# KiCad board Infernum.kicad_pcb (continued)
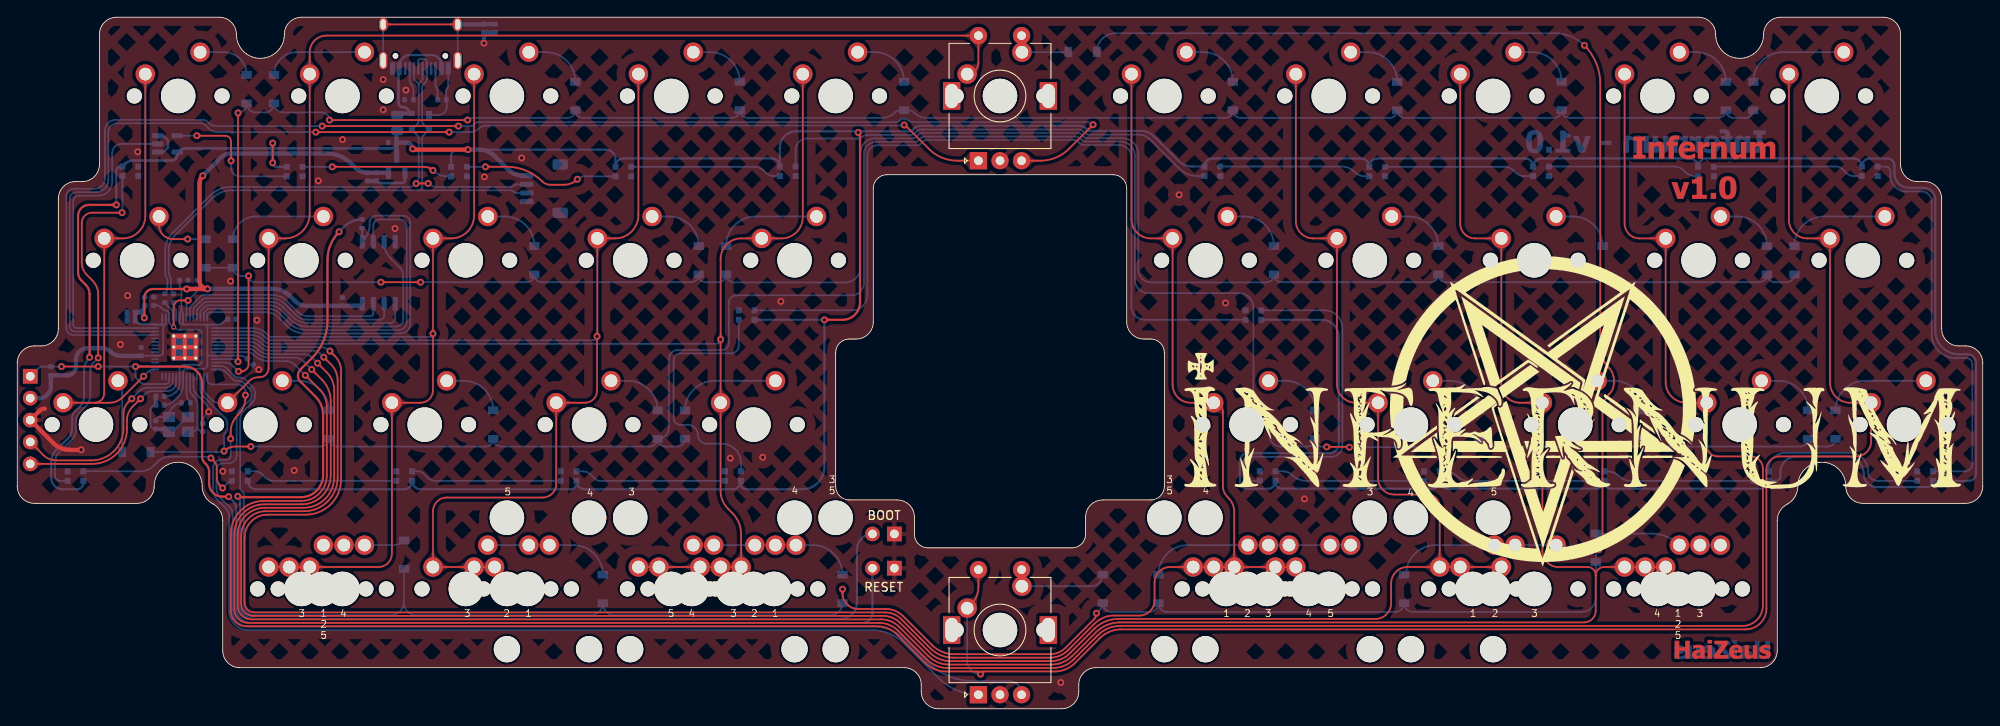
[diagram p0: board, top side]
## Routing (per net, layer and track width the routed paths; a pad name or vN(x,y) marks a point on that pad's centre or on a via; arc(x,y) is an arc through that point)
+1V1: length 26.4
  Top w0.2: v2(18.13,44.24) 18.13,46.58 arc(18.35,47.12) 18.89,47.34 v1(19.8,47.34)
  Bottom w0.2: 17.07,36.22 17.19,36.22 arc(17.82,36.34) 18.36,36.7 18.44,36.78 arc(18.72,37.21) 18.82,37.71 U2.23 18.82,39.42 arc(18.95,39.74) 19.28,39.87 21.02,39.87 arc(21.27,39.98) 21.38,40.23 21.38,43.58 arc(21.27,43.83) 21.02,43.94 18.86,43.94 arc(18.46,44.02) v2(18.13,44.24) 17.73,44.64 arc(17.65,44.76) 17.62,44.9 U2.45 17.62,45.81 arc(17.6,45.91) 17.54,46 17.41,46.12 arc(17.35,46.17) 17.28,46.18 17.11,46.18 arc(17.01,46.2) 16.92,46.26 16.55,46.64 arc(16.41,46.73) 16.25,46.76 C4.1 ; C6.1 20.87,48.55 arc(20.84,48.42) 20.77,48.31 19.62,47.16 U2.50
+3V3: length 131.2
  Top w0.25: v1(14.72,45.31) 14.72,47.65 arc(15.02,48.37) 15.74,48.66 v1(19.65,48.66)
  Top w0.5: v1(19.65,48.66) 22.04,48.66 v1(22.04,48.68) arc(21.39,48.95) 21.12,49.6 21.12,60.88 arc(21.22,61.37) v1(21.5,61.8)
  Bottom w0.2: 22.04,44.19 22.04,44.28 arc(21.96,44.46) 21.78,44.53 ; 22.04,44.19 22.04,41.35 ; 22.04,44.19 22.04,44.23 arc(22.13,44.45) 22.34,44.53 ; U2.44 17.22,44.66 arc(17.18,44.57) 17.1,44.53 ; 17.1,44.53 16.55,44.53 ; 17.1,44.53 17.05,44.49 arc(16.94,44.33) 16.91,44.14 16.91,41.3 arc(16.8,41.04) 16.54,40.93 U2.33 14.38,40.93 C14.1 ; 19.03,48.66 v1(19.65,48.66) ; 19.03,48.66 18.91,48.78 arc(18.84,48.89) 18.81,49.01 C9.1 ; 19.03,48.66 19.03,46.38 ; 21.78,44.53 22.34,44.53 ; 21.78,44.53 19.46,44.53 ; 22.34,44.53 U2.1 23.35,44.53 arc(23.58,44.58) 23.78,44.71 24.22,45.16 C11.1 ; C10.1 17.05,35.2 arc(17.62,35.31) 18.1,35.64 18.65,36.19 arc(19.07,36.82) 19.22,37.56 U2.22 19.22,39.01 arc(19.34,39.3) 19.63,39.42 21.58,39.42 arc(21.9,39.55) 22.04,39.87 22.04,41.35 ; 19.46,44.53 19.19,44.53 arc(18.93,44.64) 18.82,44.91 U2.48 18.82,45.76 arc(18.85,45.92) 18.95,46.07 ; 19.46,44.53 arc(19.29,44.61) 19.22,44.78 U2.49 19.22,45.82 arc(19.19,45.94) 19.12,46.05 ; U2.43 16.82,44.8 arc(16.74,44.61) 16.55,44.53 ; 19.03,46.15 19.12,46.05 ; 19.03,46.15 18.95,46.07 ; 19.03,46.15 19.03,46.38 ; 19.12,46.05 arc(19.05,46.16) 19.03,46.28 ; 16.55,44.53 U2.42 ; 22.04,41.35 22.04,41.09 arc(22.08,40.98) 22.2,40.93 U2.10 25.8,40.93 arc(26.27,40.84) 26.68,40.57 C12.1 ; 18.95,46.07 arc(19.01,46.15) 19.03,46.26 19.03,46.28 ; 19.03,46.28 19.03,46.38
  Bottom w0.25: C15.1 13.68,44.95 arc(14.11,44.66) 14.62,44.56 15.98,44.56
  Bottom w0.5: C14.1 11.97,40.92 arc(11.34,41.04) 10.81,41.4 arc(10.36,41.7) 9.83,41.81 8.13,41.81 arc(7.19,41.42) 6.8,40.48 6.8,39.66 arc(6.5,38.95) 5.79,38.65 R1.1 3.9,37.25 arc(3.82,36.88) 3.61,36.56 3.36,36.31 arc(3.03,36.09) 2.64,36.01 J1.2 ; v1(21.5,61.8) 23.64,63.93 arc(24.13,64.26) 24.7,64.37 35.91,64.37 arc(37.4,64.07) 38.66,63.23 39.12,62.77 arc(39.81,62.31) C_LDO2.1 C7.1 ; U3.2 41.65,62.15 ; C13.1 C15.1 ; C13.1 13.98,45.97 arc(14.54,46.2) C8.1 ; C13.1 14.06,45.97 arc(14.53,45.78) v1(14.72,45.31) ; U1.8 39.76,46.71 C3.1 33.55,46.71 arc(32.81,46.86) 32.18,47.28 31.57,47.89 arc(30.69,48.47) 29.65,48.68 v1(22.04,48.68)
+5V: length 583.8
  Top w0.25: v1(93.55,45.09) 95.65,45.09 arc(97.08,45.69) 97.68,47.12 97.68,66.6 v1(97.47,66.81) ; v1(11.48,58.42) 8.32,58.42 arc(7.42,58.04) 7.05,57.14 7.05,50.6 arc(7.15,50.08) 7.45,49.64 7.95,49.13 arc(8.27,48.66) 8.38,48.09 v1(8.38,40.74) ; v1(29.61,63.29) v1(29.61,65.58)
  Top w0.5: v1(52.24,64.82) 45.93,64.82 v1(45.82,64.92)
  Bottom w0.25: D51.4 11.93,62.86 arc(11.61,62.72) 11.47,62.4 11.47,58.43 ; D47.4 30.07,62.83 arc(29.74,62.96) v1(29.61,63.29) ; D49.4 v1(93.55,45.09) 93.55,28.04 arc(92.79,26.21) 90.96,25.45 84.47,25.45 arc(84.04,25.63) 83.86,26.06 D54.4 83.86,26.36 arc(83.59,25.72) 82.95,25.45 65.79,25.45 arc(65.1,25.73) 64.81,26.42 64.81,26.11 arc(64.62,25.64) 64.15,25.45 46.74,25.45 arc(46.05,25.73) D53.4 45.76,26.36 arc(45.49,25.72) 44.85,25.45 27.69,25.45 arc(27,25.73) D57.4 ; D39.4 50.28,64.06 arc(50.51,64.59) 51.04,64.82 v1(52.24,64.82) 68.21,64.82 arc(69,64.49) 69.33,63.7 D50.4 arc(69.62,63.52) 70.31,63.8 87.44,63.8 arc(88.11,63.53) D40.4 88.38,65.03 arc(88.94,66.39) 90.3,66.95 97.33,66.95 arc(97.43,66.91) v1(97.47,66.81) arc(97.62,66.92) 97.8,66.95 103.45,66.95 arc(103.62,66.98) 103.76,67.08 103.98,67.3 103.98,67.31 arc(104.29,67.51) 104.65,67.59 123.02,67.59 arc(123.52,67.49) 123.94,67.21 124.02,67.13 arc(124.18,67.02) 124.36,66.99 130.32,66.99 arc(131.06,66.84) 131.68,66.42 134.56,63.55 arc(135.32,63.04) 136.22,62.86 D41.4 arc(137.87,63.53) 138.54,63.8 155.73,63.8 arc(156.42,63.52) D55.4 arc(156.99,63.52) 157.68,63.8 174.75,63.8 arc(175.42,63.53) D42.4 arc(175.97,63.53) 176.64,63.8 193.83,63.8 arc(194.52,63.52) 194.81,62.83 arc(195.09,63.52) 195.78,63.8 212.85,63.8 arc(213.52,63.53) D43.4 arc(214.07,63.52) 214.73,63.8 216.76,63.8 arc(217.33,63.56) 217.57,62.99 217.57,62.06 arc(218.05,60.88) 219.23,60.4 220.97,60.4 arc(221.92,60) 222.31,59.05 222.31,43.84 arc(223.11,41.9) 225.05,41.09 226.04,41.09 arc(226.74,40.8) 227.03,40.1 227.03,27.3 arc(226.78,26.68) 226.16,26.42 D44.4 222.04,26.41 arc(221.83,25.91) 221.33,25.7 215.52,25.7 arc(214.45,26.14) 214.01,27.21 arc(213.42,28.64) 211.98,29.24 206.17,29.24 arc(204.89,28.71) 204.36,27.42 204.36,26.97 arc(204.2,26.58) 203.81,26.42 D60.4 arc(202.72,25.78) 202.08,25.52 184.75,25.52 arc(184.17,25.75) 183.94,26.32 D46.4 arc(183.67,25.78) 183.03,25.52 165.79,25.52 arc(165.15,25.78) D59.4 arc(164.62,25.78) 163.98,25.52 146.55,25.52 arc(146.05,25.72) 145.84,26.22 D48.4 arc(145.57,25.77) 144.91,25.5 142.59,25.5 arc(141.96,25.76) 141.7,26.38 141.7,28.69 arc(141.98,29.35) 142.65,29.63 152.06,29.63 arc(152.84,29.96) 153.17,30.74 153.17,43.11 arc(152.59,44.51) 151.19,45.09 D45.4 ; 7.66,26.42 7.66,26.16 arc(7.45,25.66) 6.95,25.45 5.26,25.45 arc(4.33,25.83) 3.94,26.77 3.94,28.65 arc(4.08,29.35) 4.48,29.95 5.84,31.31 arc(6.23,31.89) 6.36,32.56 6.36,33.67 arc(6.44,34.09) 6.68,34.45 7.24,35.01 arc(7.62,35.57) 7.75,36.23 7.75,39.2 arc(7.91,40.03) v1(8.38,40.74)
  Bottom w0.3: v1(29.61,65.58) 29.49,65.46 29.49,64.97 ; 29.49,64.97 19.61,64.97 arc(19.04,64.86) U5.5 18.55,64.19 arc(18.37,63.74) 17.92,63.56 13.46,63.56 arc(12.93,63.45) 12.48,63.15 D51.4 ; 29.49,64.97 43.88,64.97 43.96,64.9
  Bottom w0.5: J2.1 58.61,61.8 arc(57.69,61.98) 56.92,62.5 55.25,64.16 arc(54.45,64.65) 53.53,64.82 v1(52.24,64.82) ; C_LDO1.1 45.11,65.63 arc(45.62,65.42) v1(45.82,64.92) ; C_LDO1.1 43.96,64.06 U3.3 ; C_LDO1.1 43.96,66.9 F1.2
GND: length 59.7
  Top w0.5: 1.51,33.23 1.75,33.23 4.2,30.78 arc(5.04,30.22) 6.04,30.02 v1(7.41,30.02) ; J1.3 2.58,34.54 arc(2.86,34.73) 3.19,34.79 ; U2.57 U2.57 ; U2.57 U2.57 ; U2.57 U2.57 U2.57 U2.57 U2.57
  Bottom w0.2: Y1.2 19.68,33.82 17.98,32.12 Y1.4 ; U2.19 20.42,37.27 arc(20.5,36.85) 20.74,36.49 21.76,35.47 arc(22.08,35) v1(22.19,34.44) 21.96,34.21 arc(21.62,33.7) C1.1 ; USB1.12 49.95,72.23 arc(49.92,72.07) 49.83,71.93 arc(49.75,71.82) 49.73,71.69 R_USB2.2 49.77,70.56 49.77,69.8 arc(49.49,69.11) 48.8,68.82 U4.1 ; C2.1 15.98,32.44 arc(15.59,32.59) 15.43,32.98 15.43,34.56 arc(15.62,35.01) C10.2
  Bottom w0.25: U5.3 16.93,66.43 17.47,65.89 17.47,65.08 16.93,64.53 U5.1
  Bottom w0.3: U3.1 44.93,61.25 arc(44.86,61.05) 44.68,60.95 42.22,60.95 arc(41.91,61.01) C7.2
  Bottom w0.5: C_Shield1.1 55.38,78.38 R_Shield1.2 v1(54.09,77.16) ; C13.2 C15.2 ; C5.2 16.06,35.21 ; C2.1 17.27,32.44 Y1.4 ; C7.2 C_LDO2.2
  vias: v1(11.95,42.23) v1(12.79,47.9) v1(13.96,64.56) v1(23.82,27.53) v1(24.73,49.58) v1(27.78,45.06) v1(27.98,39.32) v1(32.1,27.63) v1(34.89,61.21) v1(37.7,65.99) v1(42.41,72.95) v1(42.41,69.44) v1(43.78,55.67) v1(45.05,71.73) v1(54.14,61.67) v1(58.46,63.85) v1(82.64,29.05) v1(86.4,29.16) v1(88.5,47.23) v1(120.95,3.04) v1(134.66,59.59) v1(140.05,47.04) v1(149.19,24.33) v1(150.41,27.73)
GNDREF: length 21.4
  Top w0.2: USB1.13 USB1.13
  Bottom w0.2: USB1.13 USB1.13 ; USB1.13 USB1.13
  Bottom w0.5: USB1.13 54.03,79.34 R_Shield1.1 54.12,79.37 C_Shield1.2
VCC: length 14.8
  Bottom w0.25: USB1.2 44.28,74.62 arc(44.35,74.98) 44.55,75.28 44.8,75.53 arc(45.07,75.71) 45.39,75.77 48.13,75.77 arc(48.44,75.71) 48.71,75.54 49.01,75.23 arc(49.13,75.05) 49.18,74.84 USB1.11
  Bottom w0.3: U4.4 45.18,69.57 45.12,69.62 44.98,69.7 44.83,69.74 44.72,69.74 arc(44.34,69.9) 44.19,70.28 44.19,74.02 arc(44.21,74.14) USB1.2
  Bottom w0.5: F1.1 44.2,69.02 U4.4
Col 0: length 54.5
  Top w0.2: MX1.1 14.84,57.14 arc(14.08,55.3) 12.23,54.53 MX12.1 10.08,36.58 arc(9.76,35.8) 8.98,35.48 ; v1(14.65,38.55) 12.18,36.09 arc(11.51,35.64) 10.71,35.48 8.98,35.48 ; 8.98,35.48 MX22.1
  Bottom w0.2: v1(14.65,38.55) 15.12,39.02 arc(15.46,39.25) 15.87,39.33 U2.29
Col 1: length 135.4
  Top w0.2: MX23.1 26.91,38.03 arc(27.36,38.32) 27.88,38.43 28.08,38.43 arc(28.82,38.73) 29.13,39.48 MX13.1 31.03,54.53 arc(33.05,55.37) 33.89,57.39 MX2.1 33.89,76.1 arc(34.46,77.47) 35.84,78.04 SW1.S2 111.4,74.89 arc(111.02,73.96) MX6.1
  Bottom w0.2: U2.16 21.62,37.13 arc(21.69,36.77) 21.89,36.47 22.6,35.76 arc(22.91,35.55) 23.28,35.48 MX23.1
Col 2: length 104.4
  Top w0.2: MX43.1 MX32.1 MX49.1 41.87,16.43 arc(42.96,16.88) 43.42,17.98 MX24.1 46.75,35.48 arc(47.76,35.9) 48.18,36.91 v1(48.18,43.48) MX14.1 50.31,54.53 arc(52.17,55.3) 52.94,57.17 MX3.1
  Bottom w0.2: U2.2 27.35,44.13 arc(28.17,43.97) 28.86,43.51 29.11,43.26 arc(29.27,43.15) 29.47,43.11 47.81,43.11 arc(48.07,43.22) v1(48.18,43.48)
Col 3: length 129.9
  Top w0.2: MX4.1 71.99,57.24 arc(71.2,55.32) 69.28,54.53 MX15.1 67.23,43.21 v1(67.2,43.18) 67.2,36.88 arc(66.79,35.89) 65.8,35.48 MX25.1 62.47,26.06 arc(62.01,24.95) 60.9,24.49 49.77,24.49 arc(48.65,24.02) 48.18,22.9 MX44.1 MX39.1 MX33.1
  Bottom w0.2: U2.3 27.22,43.73 arc(28.01,43.58) 28.67,43.13 28.84,42.97 arc(29.12,42.78) 29.45,42.71 66.73,42.71 arc(67.06,42.85) v1(67.2,43.18)
Col 4: length 136.5
  Top w0.2: MX5.1 91.04,56.99 arc(90.32,55.25) 88.59,54.53 MX16.1 83.91,54.53 arc(82.22,53.83) 81.52,52.14 v1(81.52,42.82) 81.52,42.81 MX26.1 81.52,25.26 arc(81.74,24.14) 82.37,23.2 82.88,22.69 arc(83.63,21.56) 83.9,20.23 MX34.1 MX40.1 MX45.1 MX50.1 MX53.1
  Bottom w0.2: U2.4 27.07,43.33 arc(27.84,43.18) 28.5,42.74 28.62,42.62 arc(28.96,42.39) 29.36,42.31 81.02,42.31 arc(81.38,42.46) v1(81.52,42.82)
Col 5: length 247.7
  Top w0.2: MX54.1 MX51.1 MX46.1 ; v1(36.23,41.47) 36.82,40.88 arc(37.35,40.09) 37.53,39.16 37.53,26.59 arc(36.33,23.7) 33.44,22.5 28.99,22.5 arc(27.13,21.73) 26.36,19.87 26.36,12.3 arc(26.69,11.5) 27.49,11.17 100.63,11.17 arc(101.6,10.97) 102.42,10.42 105.82,7.02 arc(107.04,6.21) 108.48,5.92 119.7,5.92 arc(120.83,6.14) 121.78,6.78 124.86,9.87 arc(125.91,10.57) 127.14,10.81 130.09,10.81 arc(131.31,11.32) 131.82,12.54 131.82,14.63 arc(132.34,15.9) 133.62,16.43 MX36.1 MX41.1 MX46.1 ; MX46.1 141.05,22.83 arc(140.87,23.71) 140.38,24.46 140.22,24.61 arc(139.86,25.15) 139.74,25.79 139.74,34.41 arc(139.42,35.17) MX27.1 136.01,35.48 arc(134.52,36.1) 133.91,37.58 MX17.1 131.38,54.53 arc(129.8,55.19) 129.14,56.77 MX7.1
  Bottom w0.2: U2.5 26.95,42.93 arc(27.68,42.79) 28.3,42.38 28.39,42.29 arc(28.8,42.01) 29.29,41.91 35.16,41.91 arc(35.74,41.8) v1(36.23,41.47)
Col 6: length 276.2
  Top w0.2: MX37.1 164.86,23.44 arc(164.45,24.43) 163.46,24.84 159.6,24.84 arc(158.27,25.39) 157.72,26.72 MX28.1 155.13,35.48 arc(153.59,36.12) 152.96,37.66 MX18.1 150.21,54.53 arc(148.78,55.12) 148.19,56.54 MX8.1 ; MX37.1 MX42.1 MX47.1 ; MX37.1 161.14,16.43 arc(159.79,15.87) 159.24,14.53 159.24,12.24 arc(158.7,10.95) 157.41,10.41 127.59,10.41 arc(126.1,10.11) 124.83,9.27 121.97,6.41 arc(120.99,5.75) 119.83,5.52 108.14,5.52 arc(106.86,5.78) 105.77,6.5 102.31,9.96 arc(101.42,10.56) 100.37,10.77 27.32,10.77 arc(26.36,11.17) 25.96,12.13 25.96,20.04 arc(26.79,22.06) 28.82,22.9 33.21,22.9 arc(35.98,24.05) 37.13,26.82 37.13,38.06 arc(36.93,39.07) 36.36,39.92 v1(35.53,40.76)
  Bottom w0.2: v1(35.53,40.76) 35.08,41.2 arc(34.74,41.43) 34.33,41.51 29.25,41.51 arc(28.65,41.64) 28.13,41.98 28.04,42.07 arc(27.53,42.41) 26.92,42.53 U2.6
Col 7: length 296.1
  Top w0.2: 182.95,15.47 182.95,11.36 arc(182.55,10.41) 181.6,10.01 127.8,10.01 arc(126.29,9.71) 125.02,8.86 122.28,6.13 arc(121.17,5.38) 119.86,5.12 107.99,5.12 arc(106.7,5.38) 105.6,6.11 102.21,9.5 arc(101.26,10.14) 100.14,10.36 27.1,10.36 arc(26.01,10.81) 25.56,11.91 25.56,20.2 arc(26.46,22.39) 28.66,23.3 33.19,23.3 arc(35.69,24.34) 36.73,26.84 36.73,36.91 arc(36.51,38.05) 35.86,39.01 v1(34.81,40.06) ; 182.95,15.47 182.95,15.49 arc(182.67,16.16) 182.01,16.43 178.62,16.43 arc(177.31,16.97) 176.77,18.28 MX29.1 174.16,35.48 arc(172.64,36.11) 172.01,37.63 MX19.1 168.95,54.53 arc(167.74,55.03) 167.24,56.24 MX9.1 ; 182.95,15.47 arc(183.23,16.15) 183.91,16.43 MX52.1 MX38.1 MX48.1
  Bottom w0.2: U2.7 26.86,42.13 arc(27.37,42.03) 27.8,41.75 27.87,41.67 arc(28.49,41.26) 29.22,41.11 33.23,41.11 arc(33.72,41.02) 34.13,40.74 v1(34.81,40.06)
Col 8: length 306.6
  Top w0.2: MX10.1 186.29,56.26 arc(186.8,55.04) 188.03,54.53 MX20.1 191.06,37.86 arc(191.75,36.18) 193.44,35.48 MX30.1 195.82,30.53 arc(196.19,29.63) 197.09,29.26 200.9,29.26 arc(201.91,28.84) 202.33,27.84 202.33,11.99 arc(201.63,10.3) 199.94,9.6 127.8,9.6 arc(126.44,9.33) 125.28,8.55 122.45,5.72 arc(121.34,4.98) 120.03,4.72 107.83,4.72 arc(106.53,4.98) 105.43,5.72 102.13,9.02 arc(101.08,9.72) 99.85,9.96 26.72,9.96 arc(25.61,10.42) 25.16,11.52 25.16,20.22 arc(26.18,22.68) 28.63,23.7 32.96,23.7 arc(35.35,24.69) 36.33,27.07 36.33,35.66 arc(36.06,37.01) 35.3,38.16 v1(34.12,39.34)
  Bottom w0.2: v1(34.12,39.34) 33.2,40.26 arc(32.69,40.6) 32.1,40.72 29.16,40.72 arc(28.33,40.88) 27.63,41.35 27.55,41.43 arc(27.21,41.66) 26.81,41.73 U2.8
Col 9: length 325.9
  Top w0.2: SW2.S2 111.4,14.12 arc(111.19,13.06) 110.6,12.17 MX35.1 ; MX11.1 205.34,56.66 arc(205.97,55.16) 207.48,54.53 MX21.1 210.11,37.81 arc(210.79,36.16) 212.44,35.48 MX31.1 214.87,30.98 arc(214.36,29.76) 213.14,29.26 204.26,29.26 arc(203.18,28.81) 202.73,27.73 202.73,11.63 arc(202.02,9.91) 200.3,9.2 127.94,9.2 arc(126.6,8.93) 125.47,8.18 122.57,5.28 arc(121.51,4.57) 120.26,4.32 111.96,4.32 v1(111.65,4.01) 111.34,4.32 107.61,4.32 arc(106.36,4.57) 105.3,5.28 101.97,8.61 arc(100.92,9.31) 99.67,9.56 26.52,9.56 arc(25.27,10.08) 24.76,11.32 24.76,20.27 arc(25.88,22.98) 28.59,24.1 32.93,24.1 arc(35.01,24.96) 35.88,27.04 35.88,35.05 arc(35.67,36.09) 35.08,36.97 v1(33.39,38.66)
  Bottom w0.2: U2.9 26.78,41.33 arc(27.06,41.28) 27.3,41.12 27.38,41.03 arc(28.18,40.5) 29.11,40.32 31.13,40.32 arc(31.69,40.21) 32.16,39.89 v1(33.39,38.66) ; MX35.1 110.09,5.57 arc(110.55,4.47) v1(111.65,4.01)
CS: length 46.8
  Bottom w0.2: R5.2 39.97,54.17 U1.1 40.02,54.17 arc(40.63,55.07) 40.84,56.14 40.84,56.51 arc(41.08,56.97) 41.56,57.16 44.73,57.16 arc(45.3,56.92) 45.54,56.35 45.54,53.93 45.55,53.93 45.55,44.63 arc(45.22,43.84) 44.43,43.51 44.32,43.51 33.37,43.51 arc(32.21,43.74) 31.23,44.4 30.17,45.46 arc(29.6,45.84) 28.94,45.97 22.35,45.97 arc(22.25,45.95) 22.16,45.89 22.09,45.82 arc(22.04,45.74) 22.02,45.65 U2.56
D+: length 68.3
  Bottom w0.2: 46.37,60.1 24.85,60.1 arc(23.61,59.85) 22.56,59.15 18.27,54.86 arc(17.77,54.13) 17.55,53.28 17.55,50.48 17.55,50.48 arc(17.58,50.32) 17.67,50.19 arc(17.77,50.03) 17.81,49.85 17.81,48.84 arc(17.89,48.45) 18.11,48.12 R3.1 ; 46.37,60.1 57.16,60.1 arc(57.4,60.05) 57.6,59.92 arc(57.73,59.83) 57.89,59.8 J2.3 ; 46.37,60.1 46.52,60.1 arc(46.81,60.22) 46.93,60.51 46.93,66.09 arc(46.97,66.3) 47.1,66.49 U4.2 47.06,67.78 arc(46.96,67.94) 46.92,68.12 46.92,71.98 arc(46.97,72.2) 47.09,72.39 47.28,72.58 arc(47.43,72.8) 47.48,73.05 USB1.8 47.48,75.04 arc(47.39,75.25) 47.18,75.33 46.73,75.33 arc(46.55,75.26) 46.47,75.08 46.47,74.25 arc(46.47,74.24) USB1.6
D-: length 67.3
  Top w0.2: v1(46.23,60.89) 46.24,60.91 v1(47.63,60.91)
  Bottom w0.2: USB1.7 46.98,73.09 arc(46.94,72.91) 46.84,72.75 46.7,72.62 arc(46.57,72.42) 46.52,72.18 ; 46.52,72.18 46.52,68.12 arc(46.49,67.93) 46.38,67.77 U4.3 46.37,66.48 arc(46.49,66.3) 46.53,66.09 46.53,61.62 arc(46.45,61.22) v1(46.23,60.89) 46.18,60.84 arc(45.8,60.59) 45.35,60.5 25.45,60.5 25.44,60.5 24.79,60.5 arc(23.46,60.24) 22.33,59.48 17.95,55.11 arc(17.36,54.22) 17.15,53.16 17.15,50.34 arc(17.19,50.15) 17.3,49.99 arc(17.38,49.86) 17.41,49.72 17.41,48.82 arc(17.33,48.44) 17.12,48.13 R4.1 ; 46.52,72.18 arc(46.48,72.42) 46.34,72.62 46.12,72.84 arc(46.02,73) 45.98,73.19 USB1.5 ; J2.2 57.91,60.8 arc(57.74,60.76) 57.6,60.67 ; v1(47.63,60.91) 47.69,60.85 arc(48.07,60.59) 48.53,60.5 57.17,60.5 arc(57.41,60.55) 57.62,60.68
enc1A: length 139.9
  Top w0.2: SW1.A 108.93,63.54 arc(107.17,63.89) 105.68,64.89 102.89,67.68 v1(102.8,67.68) ; v1(50.07,66.85) v1(34.59,66.85)
  Bottom w0.2: v1(34.59,66.85) 23.24,66.85 arc(22.65,66.97) 22.14,67.31 21.81,67.64 arc(21.55,67.81) 21.24,67.87 11.59,67.87 arc(10.86,67.57) 10.56,66.84 10.56,61.31 arc(10.14,60.31) 9.13,59.89 6.86,59.89 arc(6.31,59.66) 6.08,59.11 6.08,44.31 arc(6.25,43.9) 6.65,43.73 U2.40 ; 102.73,67.61 v1(102.8,67.68) arc(102.73,67.63) 102.64,67.61 54.35,67.61 arc(53.88,67.52) 53.48,67.25 arc(53.03,66.95) 52.51,66.85 v1(50.07,66.85)
enc1B: length 163
  Top w0.2: v1(51.13,67.55) v1(35.33,67.55) ; v1(124.69,67.71) 121.88,64.9 arc(120.37,63.89) 118.6,63.54 SW1.B
  Bottom w0.2: v1(51.13,67.55) 52.58,67.55 arc(52.77,67.59) 52.93,67.7 53.1,67.87 arc(53.26,67.97) 53.45,68.01 101.87,68.01 arc(102.07,68.05) 102.25,68.17 102.33,68.24 arc(102.52,68.38) 102.76,68.42 102.78,68.42 arc(103.04,68.37) 103.27,68.22 arc(103.5,68.07) 103.77,68.01 123.97,68.01 arc(124.36,67.93) v1(124.69,67.71) ; v1(35.33,67.55) 23.1,67.55 arc(22.59,67.65) 22.16,67.94 22.01,68.09 arc(21.81,68.23) 21.57,68.27 11.42,68.27 arc(10.53,67.9) 10.16,67.01 10.16,61.46 arc(9.81,60.63) 8.98,60.29 6.56,60.29 arc(5.94,60.03) 5.68,59.41 5.68,44.18 arc(5.93,43.58) 6.52,43.33 U2.39
enc2A: length 124.3
  Top w0.2: v1(26.45,36.36) 26.45,36.15 arc(26.23,35.03) 25.59,34.08 25.53,34.02 arc(24.94,33.14) 24.74,32.1 v1(24.74,31.3)
  Bottom w0.2: v1(26.45,36.36) 26.45,36.82 arc(26.42,37) 26.32,37.14 26.08,37.38 arc(25.84,37.54) 25.54,37.6 22.6,37.6 arc(22.19,37.77) 22.02,38.18 U2.15 ; v1(24.74,31.3) 24.74,29.26 arc(24.61,28.97) 24.32,28.85 23.61,28.85 arc(22.97,28.58) 22.7,27.94 22.7,25.37 arc(22.82,24.78) 23.15,24.27 23.92,23.51 23.92,23.49 24.18,23.23 arc(24.45,22.82) 24.55,22.32 24.55,22.32 24.55,11.3 arc(25.19,9.76) 26.73,9.13 99.03,9.13 arc(101.06,8.73) 102.77,7.58 106.83,3.52 arc(108.93,2.12) SW2.A
enc2B: length 129.1
  Bottom w0.2: U2.14 23.49,39.33 arc(23.83,39.27) 24.13,39.07 25.09,38.1 arc(25.21,38.03) 25.34,38 25.7,38 arc(26,37.94) 26.26,37.77 26.85,37.17 arc(27.07,36.85) 27.15,36.46 27.15,36.26 arc(27.1,36.02) 26.96,35.81 25.83,34.67 arc(25.54,34.24) 25.44,33.73 25.44,31.18 25.43,29.4 arc(25.16,28.73) 24.49,28.45 23.77,28.45 arc(23.3,28.25) 23.1,27.77 23.1,25.52 arc(23.21,24.94) 23.54,24.45 24.66,23.33 arc(24.88,23.01) 24.95,22.63 24.95,11.39 arc(25.5,10.07) 26.82,9.53 99.2,9.53 arc(101.24,9.12) 102.96,7.97 105.5,5.44 arc(107.97,3.78) 110.89,3.2 114.95,3.2 arc(115.98,2.78) 116.4,1.75 SW2.B
QSPI_CLK: length 26.1
  Bottom w0.2: U2.52 20.42,46.28 arc(20.44,46.4) 20.51,46.5 21.42,47.41 arc(21.61,47.54) 21.84,47.58 29.44,47.58 arc(30.3,47.41) 31.02,46.93 32.26,45.7 arc(32.9,45.26) 33.67,45.11 42.06,45.11 arc(42.39,45.25) 42.54,45.59 U1.6
RESET: length 136.4
  Top w0.2: v1(5.12,39.67) v1(9.38,39.67)
  Top w0.25: v1(24.51,24.59) 23.76,24.59 arc(22.69,25.03) 22.24,26.11 22.24,27.48 arc(22.15,27.95) 21.88,28.35 21.73,28.5 arc(21.51,28.83) 21.43,29.23 21.43,37.69 arc(20.85,39.09) 19.45,39.67 v1(13.71,39.67)
  Bottom w0.2: v1(5.12,39.67) 5.12,39.67 R1.2 2.99,39.67 arc(2.66,39.61) 2.38,39.42 J1.1 ; U2.26 17.62,38.1 arc(17.48,37.77) 17.16,37.64 14.85,37.64 arc(14.45,37.72) 14.11,37.94 13.96,38.1 arc(13.77,38.38) 13.71,38.71 v1(13.71,39.67) v1(9.38,39.67)
  Bottom w0.25: v1(24.51,24.59) 25.04,24.06 arc(25.29,23.68) 25.38,23.24 25.38,11.64 arc(25.87,10.45) 27.06,9.95 97.98,9.95 arc(98.79,10.29) 99.12,11.09 SW4.2
RGB: length 16.7
  Top w0.2: v1(24.78,63.52) 24.78,65.73 arc(24.58,66.23) 24.08,66.43 v1(20.81,66.43)
  Bottom w0.2: D47.3 25.79,61.73 arc(25.08,62.02) 24.78,62.73 v1(24.78,63.52) ; v1(20.81,66.43) U5.4
RGBLED: length 39
  Bottom w0.2: U2.41 6.89,44.13 arc(6.6,44.26) 6.48,44.55 6.48,58.76 arc(6.69,59.27) 7.2,59.48 8.97,59.48 8.97,59.48 9.39,59.48 arc(10.53,59.95) 11.01,61.1 11.01,64.42 arc(11.32,65.17) 12.07,65.48 U5.2
Row 0: length 217.4
  Top w0.2: v1(36.17,68.25) v1(52.2,68.25) ; v1(25.59,40.23) 25.59,69.08 v1(25.59,69.08)
  Bottom w0.2: U2.11 24.85,40.53 arc(25.25,40.46) v1(25.59,40.23) ; v1(52.2,68.25) arc(52.48,68.44) 52.81,68.5 63.8,68.5 arc(64.43,68.76) 64.69,69.39 arc(64.95,68.76) 65.58,68.5 82.85,68.5 arc(83.48,68.76) 83.74,69.39 arc(84,68.76) 84.63,68.5 100.21,68.5 arc(101.04,68.67) 101.74,69.14 arc(102.03,69.32) 102.36,69.39 103.29,69.39 arc(103.62,69.32) 103.9,69.14 arc(104.61,68.67) 105.43,68.5 140,68.5 arc(140.63,68.76) 140.89,69.39 arc(141.15,68.76) 141.78,68.5 159.05,68.5 arc(159.68,68.76) 159.94,69.39 arc(160.2,68.76) 160.83,68.5 178.1,68.5 arc(178.73,68.76) 178.99,69.39 arc(179.25,68.76) 179.88,68.5 197.15,68.5 arc(197.78,68.76) 198.04,69.39 arc(198.3,68.76) 198.93,68.5 200.33,68.5 arc(200.95,68.76) 201.22,69.39 ; v1(36.17,68.25) arc(35.91,68.88) 35.28,69.14 30.81,69.14 arc(30.07,69.44) D2.1 arc(29.46,69.44) 28.72,69.14 27.64,69.14 arc(26.9,69.44) D1.1 26.59,70.08 arc(26.3,69.38) v1(25.59,69.08)
Row 1: length 238.7
  Top w0.2: v1(42.14,49.45) v1(46.75,49.45) ; v1(25.64,39.11) 25.95,39.11 arc(26.56,39.37) 26.81,39.98 v1(26.81,50.19)
  Bottom w0.2: v1(42.14,49.45) 27.55,49.45 arc(27.03,49.67) v1(26.81,50.19) 25.95,50.19 arc(25.28,50.46) D13.1 D12.1 ; v1(25.64,39.11) 24.93,39.82 arc(24.58,40.05) 24.17,40.13 U2.12 ; 95.93,49.43 83.07,49.43 arc(82.42,49.69) D16.1 arc(81.89,49.71) 81.26,49.45 79.77,49.45 arc(79.21,49.68) 78.98,50.24 D15.1 arc(78.72,49.71) 78.09,49.45 60.82,49.45 arc(60.19,49.71) D14.1 arc(59.67,49.71) 59.04,49.45 v1(46.75,49.45) ; D21.1 arc(205.72,49.71) 205.09,49.45 203.69,49.45 arc(203.06,49.71) D20.1 arc(202.54,49.71) 201.91,49.45 184.64,49.45 arc(184.01,49.71) D19.1 arc(183.49,49.71) 182.86,49.45 165.59,49.45 arc(164.96,49.71) D18.1 arc(164.44,49.71) 163.81,49.45 146.54,49.45 arc(145.91,49.71) D17.1 arc(145.39,49.69) 144.74,49.43 131.41,49.43 arc(130.37,49.86) 129.94,50.9 129.94,64.26 arc(129.38,65.6) 128.03,66.16 123.9,66.16 arc(123.78,66.19) 123.68,66.25 123.36,66.57 arc(123.16,66.7) 122.93,66.75 104.88,66.75 arc(104.66,66.7) 104.47,66.57 104.21,66.32 arc(104,66.18) 103.75,66.13 99.39,66.13 arc(98.22,65.64) 97.73,64.46 97.73,51.18 arc(97.22,49.94) 95.98,49.43
Row 2: length 280.2
  Top w0.2: v1(151.77,30.36) 154.37,30.36 v1(154.41,30.32) ; v1(27.07,30.4) 25.25,30.4 arc(24.56,30.26) v1(23.97,29.87)
  Bottom w0.2: v1(154.41,30.32) 168.5,30.32 arc(169.18,30.61) 169.47,31.29 arc(169.73,30.66) 170.36,30.4 187.63,30.4 arc(188.25,30.66) 188.52,31.29 arc(188.78,30.66) 189.41,30.4 206.68,30.4 arc(207.3,30.66) 207.57,31.29 arc(207.83,30.66) 208.46,30.4 209.85,30.4 arc(210.48,30.66) 210.74,31.29 ; U2.17 21.22,37.03 arc(21.3,36.61) 21.54,36.26 24.01,33.79 arc(24.26,33.41) 24.35,32.97 24.35,32.44 arc(24.31,32.22) 24.18,32.04 arc(24.06,31.87) 23.98,31.67 23.98,29.88 v1(23.97,29.87) 23.87,29.77 D22.1 ; v1(27.07,30.4) 35.23,30.4 arc(35.85,30.66) 36.12,31.29 arc(36.38,30.66) 37.01,30.4 54.28,30.4 arc(54.9,30.66) 55.17,31.29 arc(55.43,30.66) 56.06,30.4 73.33,30.4 arc(73.95,30.66) 74.22,31.29 ; v1(151.77,30.36) 151.35,30.36 arc(150.69,30.63) 150.42,31.29 arc(150.15,30.66) 149.53,30.4 146.39,30.4 arc(145.53,30.76) 145.18,31.61 145.18,33.31 arc(145.01,34.14) 144.54,34.85 143.72,35.67 arc(143.39,36.16) 143.27,36.75 143.27,46.53 arc(142.79,47.7) 141.62,48.18 131.06,48.18 arc(129.98,48.63) 129.54,49.7 129.54,64.09 arc(129.05,65.27) 127.87,65.76 123.8,65.76 arc(123.58,65.81) 123.39,65.93 123.26,66.06 arc(122.95,66.27) 122.58,66.34 122.11,66.34 122.11,66.34 105.17,66.34 arc(104.91,66.29) 104.7,66.15 104.42,65.87 arc(104.26,65.76) 104.07,65.73 104.07,65.73 99.56,65.73 arc(98.55,65.31) 98.13,64.3 98.13,49.38 arc(97.7,48.35) 96.68,47.93 83.32,47.93 arc(82.72,47.68) 82.48,47.09 82.48,42.36 arc(82.25,41.82) 81.71,41.6 76.57,41.6 arc(75.83,41.29) 75.52,40.54 75.52,32.59 arc(75.14,31.67) 74.22,31.29 ; 77.39,31.29 arc(77.13,30.66) 76.5,30.4 75.11,30.4 arc(74.48,30.66) 74.22,31.29
Row 3: length 331.9
  Top w0.2: v1(95.65,13.87) 95.65,13.4 arc(96.18,12.1) 97.48,11.57 100.68,11.57 arc(101.75,11.35) 102.66,10.74 106,7.41 arc(107.2,6.6) 108.62,6.32 119.67,6.32 arc(120.67,6.52) 121.52,7.09 124.79,10.36 arc(125.01,10.69) v1(125.09,11.08) ; v1(183.31,18.45) arc(183.63,18.91) 183.73,19.46 183.73,34.56 arc(183.95,35.62) 184.55,36.52 arc(184.92,37.08) 185.05,37.75 185.05,38.1 arc(184.9,38.89) 184.45,39.57 arc(183.73,40.64) 183.48,41.9 183.48,72.46 arc(183,74.87) v1(181.64,76.91)
  Bottom w0.2: U2.13 23.61,39.73 arc(24,39.66) 24.32,39.44 25.19,38.57 arc(25.38,38.44) 25.59,38.4 25.85,38.4 arc(26.16,38.34) 26.43,38.16 27.26,37.33 arc(27.48,37.01) 27.55,36.64 27.55,36.12 arc(27.5,35.85) 27.35,35.63 26.22,34.5 arc(25.93,34.08) 25.83,33.58 25.83,31.02 25.83,25.65 arc(25.88,25.41) 26.03,25.19 26.11,25.11 arc(26.22,24.95) 26.25,24.76 26.25,12.13 arc(26.63,11.22) 27.54,10.85 43.25,10.85 arc(44.36,11.31) 44.82,12.42 44.82,16.18 D32.1 ; v1(95.65,13.87) D34.1 arc(95.24,11.26) 94.25,10.85 69.26,10.85 arc(68.27,11.26) D33.1 arc(67.46,11.26) 66.47,10.85 46.22,10.85 arc(45.23,11.26) 44.82,12.24 ; v1(125.09,11.08) 125.5,11.49 arc(125.73,11.83) D35.1 arc(126.11,11.52) 126.83,11.22 131.24,11.22 arc(131.96,11.52) D36.1 arc(132.56,11.52) 133.28,11.22 159.72,11.22 arc(160.44,11.52) D37.1 arc(161.03,11.52) 161.75,11.22 181.34,11.22 arc(182.49,11.7) 182.96,12.84 D38.1 182.96,17.59 arc(183.05,18.06) v1(183.31,18.45) ; v1(181.64,76.91) arc(180.08,77.95) 178.24,78.32 127.29,78.32 arc(125.76,77.68) D6.1
SD0: length 27
  Bottom w0.2: U2.53 20.82,46.12 arc(20.84,46.23) 20.9,46.33 21.6,47.02 arc(21.78,47.14) 21.99,47.18 29.3,47.18 arc(30.11,47.02) 30.8,46.56 31.97,45.39 arc(32.73,44.89) 33.62,44.71 43.23,44.71 arc(43.64,44.88) 43.81,45.29 U1.5
SD1: length 43.3
  Bottom w0.2: U2.55 21.62,45.79 arc(21.64,45.9) 21.7,46 21.99,46.29 arc(22.08,46.35) 22.19,46.37 29.11,46.37 arc(29.8,46.23) 30.39,45.84 31.28,44.95 31.28,44.95 31.47,44.76 arc(32.41,44.13) 33.52,43.91 44.24,43.91 arc(44.87,44.18) 45.14,44.81 45.14,55.92 arc(44.9,56.5) 44.32,56.74 42.03,56.74 arc(41.49,56.51) 41.27,55.98 41.27,54.14 arc(41.27,54.14) U1.2
SD2: length 35.7
  Bottom w0.2: 42.54,53.96 U1.3 42.54,53.99 arc(42.73,53.04) 43.27,52.23 44.35,51.14 arc(44.64,50.71) 44.74,50.21 44.74,45.17 arc(44.48,44.56) 43.88,44.31 33.57,44.31 arc(32.57,44.51) 31.72,45.08 30.57,46.22 arc(29.97,46.63) 29.26,46.77 22.1,46.77 arc(21.92,46.74) 21.78,46.64 21.3,46.16 arc(21.24,46.07) 21.22,45.97 U2.54
SD3: length 25.1
  Bottom w0.2: U1.7 41.27,45.84 arc(41.17,45.61) 40.93,45.51 33.73,45.51 arc(33.06,45.64) 32.5,46.02 31.26,47.25 arc(30.46,47.79) 29.51,47.98 21.63,47.98 arc(21.44,47.94) 21.28,47.84 20.12,46.67 arc(20.04,46.56) 20.02,46.43 20.02,45.37 U2.51
SWCLK: length 23.2
  Top w0.2: v1(14.29,35.94) 13.37,35.03 arc(12.88,34.29) 12.71,33.42 12.71,32.43 arc(11.53,29.57) 8.67,28.39 J1.5
  Bottom w0.2: U2.24 18.42,37.85 arc(18.12,37.13) 17.39,36.83 15.69,36.83 arc(15.21,36.73) 14.81,36.46 v1(14.29,35.94)
SWDIO: length 23.6
  Top w0.2: v1(13.27,35.94) 12.83,35.5 arc(12.45,34.92) 12.31,34.24 12.31,32.52 arc(11.22,29.88) 8.58,28.79 4.55,28.79 arc(3.72,28.96) 3.01,29.43 J1.4
  Bottom w0.2: U2.25 18.02,38.04 arc(17.78,37.46) 17.21,37.23 15.13,37.23 arc(14.6,37.12) 14.15,36.82 v1(13.27,35.94)
XTAL_IN: length 8.4
  Bottom w0.2: U2.20 20.02,37.05 arc(20.09,36.68) 20.3,36.36 20.51,36.16 arc(20.79,35.74) 20.89,35.24 20.89,32.74 ; 20.89,32.74 arc(21.07,32.31) C1.2 ; 20.89,32.74 arc(20.7,32.3) 20.26,32.12 Y1.3
XTAL_OUT: length 3.2
  Bottom w0.2: U2.21 19.62,36.52 arc(19.73,35.94) R2.2
Net-(C2-Pad2): length 4.2
  Bottom w0.2: R2.1 19.04,35.46 arc(18.57,35.36) 18.18,35.1 17.92,34.85 arc(17.67,34.47) 17.58,34.03 Y1.1 16.46,33.82 arc(16.17,33.69) C2.2
Net-(D1-A): length 6.9
  Bottom w0.2: MX1.2 23.95,76.12 arc(25.82,75.35) D1.2
Net-(D2-A): length 12
  Bottom w0.2: MX2.2 32.4,76.12 arc(30.54,75.35) D2.2
Net-(D3-A): length 7.4
  Bottom w0.2: MX3.2 61.26,76.12 arc(63.69,75.12) D3.2
Net-(D4-A): length 7.4
  Bottom w0.2: MX4.2 80.31,76.12 arc(82.74,75.12) D4.2
Net-(D5-A): length 7.4
  Bottom w0.2: MX5.2 99.36,76.12 arc(101.79,75.12) D5.2
Net-(D6-A): length 7.3
  Bottom w0.2: D6.2 121.8,76.12 MX6.2 116.4,76.16 SW1.S1
Net-(D7-A): length 7.4
  Bottom w0.2: MX7.2 137.46,76.12 arc(139.89,75.12) D7.2
Net-(D8-A): length 7.4
  Bottom w0.2: MX8.2 156.51,76.12 arc(158.94,75.12) D8.2
Net-(D9-A): length 7.4
  Bottom w0.2: MX9.2 175.56,76.12 arc(177.99,75.12) D9.2
Net-(D10-A): length 7.4
  Bottom w0.2: MX10.2 194.61,76.12 arc(197.04,75.12) D10.2
Net-(D11-A): length 12.4
  Bottom w0.2: MX11.2 204.65,76.12 arc(202.22,75.12) D11.2
Net-(D12-A): length 7.3
  Top w0.2: MX12.2 16.43,56.07 arc(16.9,54.93) 18.04,54.45 v1(19.75,54.45)
  Bottom w0.2: D12.2 19.77,54.43 v1(19.75,54.45)
Net-(D13-A): length 12
  Bottom w0.2: MX13.2 27.64,57.07 arc(25.78,56.3) D13.2
